# KiCad board TimeDisk.kicad_pcb (continued)
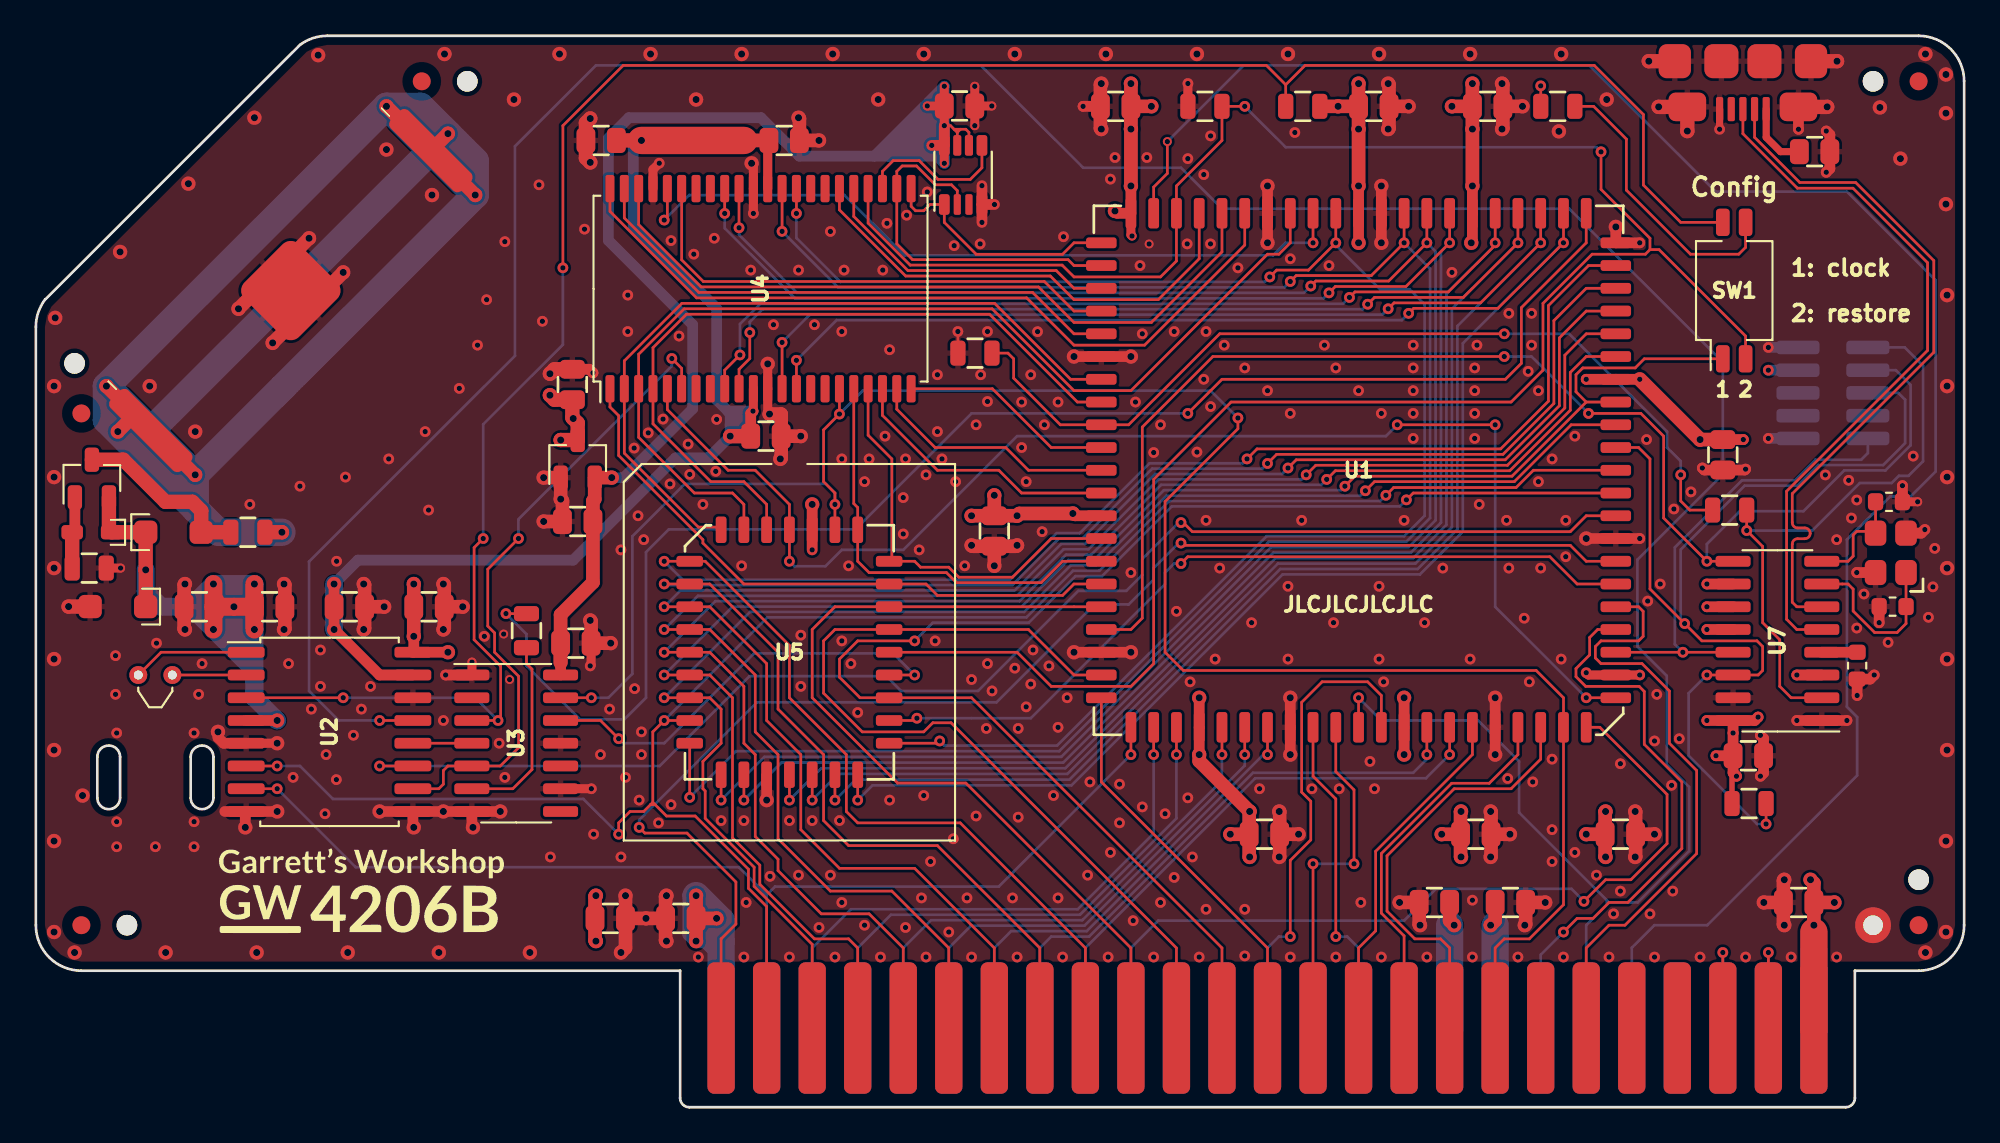
[diagram p0: board, top side]
## Routing (per net, layer and track width the routed paths; a pad name or vN(x,y) marks a point on that pad's centre or on a via; arc(x,y) is an arc through that point) (continued)
  Top w0.8: v1(28.68,40.95) 28.93,41.2 C11.2 ; v1(30.93,52.75) 30.69,52.99 C17.2 30.69,54.96 v1(30.93,55.2) ; J2.6 v1(100.48,58.4) ; J2.6 v1(89.98,58.4) ; v1(90.53,55.85) J2.6 v1(92.13,54.5) ; J2.6 v1(99.93,55.85) ; D2.2 v1(1.83,27.95)
  Bottom w0.6: J3.10 v2(96.65,37.34) ; J3.2 v2(96.65,42.42)
  Bottom w1.524: 99.19,4.32 99.19,8.76
  vias: v1(1.02,40.26) v1(1.02,35.18) v1(1.02,30.1) v1(1.02,25.02) v1(1.02,19.94) v1(1.02,14.86) v1(1.02,9.78) v1(1.08,44.07) v1(2.16,8.64) v1(2.6,17.4) v1(4.7,47.75) v1(6.35,40.26) v1(7.24,8.64) v1(8.51,51.56) v1(8.89,37.72) v1(12.19,55.24) v1(12.32,8.64) v1(15.75,58.74) v1(17.4,8.64) v1(19.56,53.47) v1(22.1,50.93) v1(22.48,8.64) v1(22.8,58.8) v1(26.67,56.26) v1(27.56,8.64) v1(29.21,58.8) v1(34.29,58.8) v1(36.83,56.26) v1(39.37,58.8) v1(44.45,58.8) v1(46.99,56.26) v1(49.53,58.8) v1(54.61,58.8) v1(59.69,58.8) v1(64.77,58.8) v1(69.36,13.97) v1(69.85,58.8) v1(74.93,58.8) v1(80.01,58.8) v1(81.15,13.97) v1(84.96,54.48) v1(85.09,58.8) v1(87.63,56.26) v1(102.87,55.82) v1(104.01,52.96) v1(105.41,58.8) v1(105.41,8.64) v1(106.55,57.66) v1(106.55,55.5) v1(106.55,50.42) v1(106.55,14.86) v1(106.55,9.78) v1(106.62,45.34) v1(106.62,40.26) v1(106.62,35.18) v1(106.62,30.1) v1(106.62,25.02) v1(106.62,19.94) v2(4.44,25.21) v2(4.44,23.05) v2(4.51,20.89) v2(4.51,15.94) v2(4.51,14.54) v2(6.67,14.54) v2(6.73,25.91) v2(8.83,20.89) v2(8.83,15.94) v2(8.83,14.54) v2(9.08,23.05) v2(9.27,24.76) v2(11.94,33.65) v2(14.1,24.76) v2(14.35,18.41) v2(14.73,34.67) v2(15.37,22.22) v2(15.88,25.53) v2(15.88,23.49) v2(16.13,16.38) v2(16.19,19.68) v2(16.78,30.48) v2(16.76,18.29) v2(17.27,35.18) v2(17.72,20.76) v2(18.16,22.22) v2(18.67,23.49) v2(19.69,36.19) v2(21.72,37.72) v2(21.91,33.34) v2(22.73,21.59) v2(23.62,40.13) v2(24.64,42.54) v2(25.02,26.29) v2(25.15,45.08) v2(25.84,20.32) v2(26.16,48.32) v2(26.16,18.41) v2(28.07,51.5) v2(28.26,43.88) v2(28.7,13.97) v2(30.61,49.02) v2(31.11,15.24) v2(31.5,19.68) v2(32,22.22) v2(32.64,31.11) v2(32.64,13.97) v2(32.89,18.41) v2(33.02,45.34) v2(33.02,43.31) v2(33.38,36.8) v2(33.4,23.37) v2(33.59,33.02) v2(33.66,17.14) v2(33.78,20.95) v2(33.78,19.68) v2(33.91,31.69) v2(34.16,37.65) v2(34.73,15.87) v2(34.99,38.42) v2(35.38,34.8) v2(35.43,48.39) v2(35.43,16.89) v2(35.88,43.05) v2(36.39,37.02) v2(36.48,35.33) v2(36.7,47.62) v2(36.96,8.38) v2(37.21,33.65) v2(37.85,48.51) v2(37.93,35.5) v2(37.98,38.4) v2(38.23,16) v2(39.37,30.23) v2(39.5,16) v2(39.5,8.38) v2(39.62,11.43) v2(39.88,46.74) v2(40.96,12.89) v2(41.15,43.69) v2(42.04,16) v2(42.04,8.38) v2(42.54,46.74) v2(42.54,12.95) v2(42.67,26.35) v2(42.67,23.49) v2(43.31,16) v2(43.43,43.69) v2(43.69,10.03) v2(44.32,48.89) v2(44.32,12.95) v2(44.58,8.38) v2(44.83,16) v2(44.96,43.31) v2(44.96,36.19) v2(44.96,26.03) v2(44.96,11.43) v2(45.08,46.74) v2(45.34,30.23) v2(45.47,24.76) v2(45.85,22.03) v2(46.23,34.92) v2(46.23,10.16) v2(46.48,36.19) v2(47.12,8.38) v2(47.24,46.74) v2(47.37,37.46) v2(47.48,49.35) v2(47.62,42.29) v2(47.62,17.14) v2(48.39,34.04) v2(48.39,32) v2(48.51,36.19) v2(48.51,10.03) v2(48.58,49.8) v2(49.28,31.11) v2(49.4,11.68) v2(49.53,17.4) v2(49.66,35.31) v2(49.66,8.38) v2(49.73,51.1) v2(49.91,13.72) v2(50.16,26.03) v2(50.29,40.89) v2(50.29,37.72) v2(50.55,36.19) v2(50.93,9.78) v2(51.23,48.1) v2(51.18,14.99) v2(51.31,34.92) v2(51.82,30.23) v2(51.94,11.68) v2(52.2,23.88) v2(52.2,8.38) v2(52.45,38.1) v2(52.45,16.26) v2(52.68,48.2) v2(52.7,40.89) v2(53.02,21.15) v2(53.09,43.31) v2(53.09,39.4) v2(53.09,24.76) v2(53.34,23.24) v2(54.48,11.68) v2(54.61,24.51) v2(54.74,8.38) v2(54.8,21.15) v2(54.8,16.19) v2(54.99,39.37) v2(54.99,36.83) v2(55.25,34.92) v2(55.25,22.35) v2(55.5,40.89) v2(55.5,23.62) v2(55.63,25.53) v2(55.88,43.3) v2(56.13,32.13) v2(56.26,38.1) v2(56.51,24.64) v2(56.77,17.4) v2(57.02,39.37) v2(57.02,21.21) v2(57.02,11.68) v2(57.28,8.38) v2(57.33,48.6) v2(57.53,22.86) v2(58.67,12.95) v2(58.8,18.16) v2(59.82,8.38) v2(59.94,51.82) v2(59.94,14.22) v2(60.2,53.02) v2(60.45,18.03) v2(60.45,15.87) v2(61.09,29.84) v2(61.21,10.41) v2(61.34,39.37) v2(61.59,46.99) v2(61.72,43.18) v2(61.72,16.76) v2(61.98,53.02) v2(62.36,36.55) v2(62.36,8.38) v2(62.74,38.1) v2(62.74,11.43) v2(62.99,16.38) v2(63.5,43.31) v2(63.5,12.83) v2(63.63,27.69) v2(64.26,52.96) v2(64.23,48.2) v2(64.26,17.27) v2(64.39,23.75) v2(64.52,13.97) v2(64.77,36.58) v2(64.9,8.38) v2(65.15,52.07) v2(65.15,40.64) v2(65.28,43.31) v2(65.28,32.77) v2(65.28,11.05) v2(65.53,54.23) v2(65.53,48.2) v2(65.53,39.12) v2(65.79,25.02) v2(66.04,30.1) v2(66.29,42.54) v2(67.06,46.86) v2(67.44,41.27) v2(67.44,11.05) v2(67.44,8.45) v2(67.82,27.05) v2(68.26,17.78) v2(68.71,40) v2(69.85,29.08) v2(69.85,25.02) v2(69.98,47.37) v2(69.98,38.73) v2(69.98,8.38) v2(70.23,54.42) v2(70.61,32.77) v2(71.18,17.78) v2(71.88,42.54) v2(72.14,46.99) v2(72.39,27.05) v2(72.52,41.27) v2(72.52,8.38) v2(72.71,17.78) v2(73.79,40) v2(73.91,11.43) v2(74.42,19.3) v2(74.68,17.78) v2(74.93,29.08) v2(74.93,25.02) v2(75.06,38.73) v2(75.06,8.38) v2(75.18,23.75) v2(76.33,32.77) v2(76.83,42.54) v2(76.83,41.27) v2(76.83,40) v2(76.83,38.73) v2(76.83,37.34) v2(77.47,27.05) v2(77.6,8.38) v2(78.49,30.1) v2(78.99,46.61) v2(80.01,25.02) v2(80.14,11.56) v2(80.14,8.38) v2(80.26,41.27) v2(80.26,40) v2(80.26,38.73) v2(80.26,37.34) v2(80.39,42.54) v2(80.52,33.65) v2(82.04,32.77) v2(82.17,44.32) v2(82.17,30.1) v2(82.11,18.35) v2(82.68,8.38) v2(83.03,27.3) v2(83.25,41.08) v2(83.31,23.75) v2(83.44,44.32) v2(83.44,42.54) v2(83.5,18.16) v2(83.82,40) v2(83.82,34.92) v2(83.95,30.1) v2(84.58,36.19) v2(84.58,19.43) v2(84.58,15.49) v2(84.58,13.72) v2(85.09,25.02) v2(85.22,8.38) v2(85.34,32.77) v2(85.34,30.73) v2(85.85,37.46) v2(85.85,14.22) v2(87.06,12.95) v2(87.76,8.38) v2(88.01,10.79) v2(88.39,19.18) v2(88.39,12.06) v2(89.85,37.27) v2(89.92,28.26) v2(90.04,10.79) v2(90.3,20.45) v2(90.3,8.38) v2(90.42,23.05) v2(90.61,29.21) v2(91.25,17.97) v2(91.38,33.4) v2(91.31,12.06) v2(91.68,20.57) v2(92.33,34.35) v2(92.84,8.38) v2(95.38,8.38) v2(97.92,8.38) v2(99.83,35.3) v2(100.46,31.69) v2(100.46,8.38) v2(101.13,35) v2(101.28,32.89) v2(101.58,33.9) v2(101.58,26.75) v2(101.98,28.65) v2(103.33,25.95) v2(104.73,36.35) v2(105.58,27.35) v2(105.83,29.05) v2(105.93,31.2) v3(26.1,26.42) v3(26.43,23.88) v3(62.1,48.2)
+5C: length 74.6
  Top w0.5: v2(40,38.86) 40.03,38.88 U4.11
  Top w0.508: U4.33 40.83,53.91 C16.1
  Top w0.6: v1(16.64,29.21) C14.1 v1(16.64,26.67) 19.18,24.13 U2.15 ; v2(40,38.86) 39.88,38.73 C15.1
  Top w0.762: C16.1 39.5,53.97
  Top w0.8: C15.1 v1(38.73,37.46) ; C17.1 v1(33.78,53.97)
  Top w1.524: 39.5,53.97 v1(33.78,53.97)
  Bottom w0.6: v1(38.73,37.46) 38.73,37.59 v2(40,38.86) 38.61,38.86 ; v1(38.73,37.46) 38.73,38.1 39.18,38.54 ; v1(38.73,37.46) 37.52,36.25 35.68,36.25 29.97,30.54 17.97,30.54 v1(16.64,29.21) ; v1(38.73,37.46) 38.73,38.73 38.61,38.86 ; v1(33.78,53.97) 33.33,53.52 33.33,49.25 37.98,44.6 37.98,39.49 38.61,38.86
  Bottom w1: v1(16.64,29.21) v1(16.64,26.67)
+BATT: length 58.2
  Top w0.6: U2.4 v1(13.46,21.59)
  Top w0.8: Q1.2 4.08,32.25 D3.1 D1.1 v1(6.13,30) D2.1
  Top w1: 12.19,27.94 v1(12.19,29.21) ; 12.19,27.94 v1(11.05,27.94) 9.91,27.94 ; 12.19,27.94 v1(12.19,26.67) ; 9.91,27.94 v1(9.91,29.21) ; 9.91,27.94 v1(9.91,26.67)
  Bottom w1: v1(13.46,21.59) 12.19,22.86 ; 12.19,22.86 12.19,24.38 8.64,27.94 ; 12.19,22.86 12.19,25.55 ; v1(12.19,29.21) v1(12.19,26.67) ; v1(12.19,29.21) 11.05,28.07 ; v1(12.19,29.21) v1(9.91,29.21) ; v1(12.19,26.67) 11.05,27.81 ; v1(12.19,26.67) v1(9.91,26.67) ; v1(12.19,26.67) 12.19,25.55 ; 11.05,28.07 v1(11.05,27.94) ; 11.05,28.07 v1(9.91,29.21) ; 11.05,28.07 v1(11.05,27.94) ; v1(11.05,27.94) 11.05,27.81 ; v1(11.05,27.94) 11.05,27.81 ; v1(11.05,27.94) 11.05,26.69 12.19,25.55 ; 11.05,27.81 v1(9.91,26.67) ; 8.64,27.94 v1(9.91,29.21) ; 8.64,27.94 12.19,27.94 ; 8.64,27.94 6.99,27.94 6.13,28.8 v1(6.13,30) ; v1(9.91,29.21) v1(9.91,26.67)
/7M: length 18.3
  Top w0.15: U1.83 71.25,18.48 72.52,17.21 v2(72.52,9.52)
  Bottom w0.15: v2(72.52,9.52) 73.15,9.52 73.79,8.89 73.79,4.32
/A0: length 107
  Top w0.15: U2.6 v2(13.46,19.05) ; U5.12 v2(35.05,21.59) 34.42,20.95 34.42,17.02 ; 34.29,16.89 34.42,17.02 ; 34.29,16.89 34.54,16.89 ; 34.29,16.89 33.91,16.51 33.15,16.51 32.51,15.87 v2(32.51,15.24) ; 34.42,17.02 34.54,16.89 ; 34.54,16.89 35.18,16.26 36.78,16.26 39.75,13.28 39.75,12.22 40.77,11.2 40.77,4.32 ; U1.22 83.54,35.56 82.57,34.59 75.74,34.59 v2(75.31,34.16)
  Bottom w0.15: v2(75.31,34.16) 74.99,33.84 63.22,33.84 59.33,29.95 57.86,29.95 55.26,27.35 40.81,27.35 v2(35.05,21.59) ; v2(13.46,19.05) 14.73,19.05 16.57,17.21 30.54,17.21 v2(32.51,15.24)
/A1: length 83.7
  Top w0.15: v2(35.05,22.86) U5.11 37.59,22.86 38.23,22.22 38.23,20.32 37.21,19.3 37.21,17.78 37.34,17.65 37.34,16.13 40.07,13.4 40.07,12.33 43.31,9.09 43.31,4.32 ; v2(74.17,34.42) 74.68,34.92 82.47,34.92 85.65,38.1 U1.24
  Bottom w0.15: v2(35.05,22.86) 39.84,27.65 55.13,27.65 57.73,30.25 59.18,30.25 63.07,34.14 73.89,34.14 v2(74.17,34.42)
/A2: length 96.6
  Top w0.15: v2(35.05,24.13) U5.10 37.59,24.13 38.86,22.86 38.86,15.04 40.39,13.51 40.39,12.45 43.43,9.4 45.34,9.4 45.85,8.89 45.85,4.32 ; 86.49,39.37 82.35,35.23 73.58,35.23 v2(73.03,34.67) ; 86.49,39.37 U1.25 ; 86.49,39.37 85.92,39.94 85.92,40.89 86.3,41.27 89.22,41.27 89.73,41.78 SW1.1
  Bottom w0.15: v2(35.05,24.13) 38.87,27.95 55,27.95 57.6,30.55 59.03,30.55 62.93,34.45 72.8,34.45 v2(73.03,34.67)
/A3: length 90.8
  Top w0.15: v2(35.05,25.4) U5.9 37.59,25.4 39.5,23.49 39.5,20.32 40.13,19.68 40.13,15.11 41.4,13.84 41.4,13.21 43.81,10.79 46.48,10.79 48.39,8.89 48.39,4.32 ; v2(72.01,35.05) 72.49,35.53 82.22,35.53 85.6,38.91 85.6,41.02 86.49,41.91 U1.27
  Bottom w0.15: v2(35.05,25.4) 37.9,28.25 54.87,28.25 57.47,30.85 58.88,30.85 62.78,34.75 71.71,34.75 v2(72.01,35.05)
/A4: length 94.1
  Top w0.15: v2(35.05,26.67) U5.8 37.59,26.67 40.13,24.13 40.13,20.95 41.4,19.68 41.4,14.99 44.32,12.06 47.75,12.06 50.93,8.89 50.93,4.32 ; v2(70.87,35.31) 71.4,35.84 82.09,35.84 85.29,39.04 85.29,41.99 86.49,43.18 U1.28
  Bottom w0.15: v2(35.05,26.67) 36.93,28.55 54.74,28.55 57.34,31.15 58.73,31.15 62.63,35.05 70.61,35.05 v2(70.87,35.31)
/A5: length 97.3
  Top w0.15: v2(35.05,27.94) U5.7 37.59,27.94 40.77,24.76 40.77,21.59 42.67,19.68 42.67,15.49 44.83,13.33 49.02,13.33 53.47,8.89 53.47,4.32 ; v2(69.85,35.69) 70.31,36.14 81.97,36.14 84.99,39.16 84.99,42.95 86.49,44.45 U1.29
  Bottom w0.15: v2(69.85,35.69) 69.51,35.35 62.43,35.35 58.53,31.45 57.2,31.45 54.6,28.85 35.96,28.85 v2(35.05,27.94)
/A6: length 100.6
  Top w0.15: v2(35.05,29.21) U5.6 37.59,29.21 41.4,25.4 41.4,22.22 43.94,19.68 43.94,16 45.34,14.6 50.29,14.6 56.01,8.89 56.01,4.32 ; v2(68.71,35.94) 69.22,36.45 81.84,36.45 84.68,39.29 84.68,43.92 86.49,45.72 U1.30
  Bottom w0.15: v2(68.71,35.94) 68.42,35.65 62.28,35.65 58.38,31.75 57.07,31.75 54.47,29.15 35.11,29.15 v2(35.05,29.21)
/A7: length 104.5
  Top w0.15: v2(35.05,30.48) U5.5 37.34,30.48 42.04,25.78 42.04,22.86 45.21,19.68 45.21,16.51 45.85,15.87 51.56,15.87 58.55,8.89 58.55,4.32 ; U1.31 86.61,46.99 84.38,44.75 84.38,39.42 81.72,36.75 68.12,36.75 v2(67.56,36.19)
  Bottom w0.15: v2(67.56,36.19) 67.32,35.95 62.13,35.95 58.23,32.05 56.94,32.05 54.34,29.45 36.08,29.45 v2(35.05,30.48)
/A8: length 48.6
  Top w0.15: U1.70 U5.27 44.58,27.94 43.31,26.67 43.31,22.86 48.07,18.1 51.88,18.1 61.09,8.89 61.09,4.32
/A9: length 50.3
  Top w0.15: U1.73 57.91,24.13 55.37,26.67 U5.26 44.58,26.67 43.94,26.03 43.94,23.11 46.1,20.95 49.53,20.95 50.04,21.46 51.05,21.46 63.63,8.89 63.63,4.32
/A10: length 80.3
  Top w0.15: v2(49.02,26.03) 45.85,26.03 44.83,25.02 44.83,24 45.97,22.86 U5.23 52.2,22.86 66.17,8.89 66.17,4.32 ; v2(76.45,33.91) 76.83,34.29 U1.21
  Bottom w0.15: v2(49.02,26.03) 50.04,27.05 55.39,27.05 57.99,29.65 59.48,29.65 63.37,33.54 76.08,33.54 v2(76.45,33.91)
/A11: length 22.4
  Top w0.15: U1.74 59.44,18.16 68.71,8.89 68.71,4.32
/A12: length 19.6
  Top w0.15: v2(73.53,13.59) 73.53,17.72 72.52,18.73 U1.84 ; v2(71.25,13.59) 71.25,4.32
  Bottom w0.15: v2(73.53,13.59) v2(71.25,13.59)
/A13: length 19.5
  Top w0.15: U1.6 80.14,19.68 74.74,14.29 74.74,9.84 73.79,8.89 73.79,4.32
/A14: length 21.8
  Top w0.15: 76.33,4.32 76.33,9.56 75.06,10.83 75.06,14.16 78.98,18.08 81.08,18.08 82.68,19.68 U1.8
/A15: length 24.6
  Top w0.15: 78.87,4.32 78.87,8.89 78.36,9.4 76.92,9.4 75.37,10.95 75.37,14.03 79.12,17.78 82.3,17.78 83.95,19.43 U1.9
/CH340_3V3: length 2
  Top w0.6: U7.4 C25.1
/D0: length 64.2
  Top w0.15: U2.7 v2(13.46,17.78) ; U1.75 v2(61.09,19.68)
  Bottom w0.15: 40.85,11.93 41.24,12.32 53.72,12.32 v2(61.09,19.68) ; 40.85,11.93 40.77,11.85 ; 40.85,11.93 40.69,11.93 40.67,11.94 ; 40.67,11.94 39.22,13.4 17.84,13.4 v2(13.46,17.78) ; 40.67,11.94 40.77,11.85 ; 40.77,11.85 J1.49
/D1: length 32.2
  Top w0.15: U1.76 v2(62.36,19.68)
  Bottom w0.15: 43.31,4.32 43.31,8.89 45.47,11.05 58.12,11.05 62.36,15.29 v2(62.36,19.68)
/D2: length 30.4
  Top w0.15: U1.77 v2(63.63,19.68)
  Bottom w0.15: v2(63.63,19.68) 63.63,16.13 58.25,10.74 47.7,10.74 45.85,8.89 45.85,4.32
/D3: length 29.2
  Top w0.15: U1.79 v2(66.17,19.68)
  Bottom w0.15: v2(66.17,19.68) 66.17,18.23 58.37,10.44 49.94,10.44 48.39,8.89 48.39,4.32
/D4: length 27.4
  Top w0.15: U1.80 v2(67.44,19.68)
  Bottom w0.15: v2(67.44,19.68) 67.44,19.07 58.5,10.13 52.17,10.13 50.93,8.89 50.93,4.32
/D5: length 25.8
  Top w0.15: U1.81 v2(68.71,19.68)
  Bottom w0.15: 53.47,4.32 53.47,8.89 54.41,9.83 58.62,9.83 68.48,19.68 v2(68.71,19.68)
/D6: length 32.3
  Top w0.15: v2(77.6,19.68) U1.4
  Bottom w0.15: 56.01,4.32 56.01,8.89 56.64,9.52 58.75,9.52 67.89,18.67 76.83,18.67 77.6,19.43 v2(77.6,19.68)
/D7: length 30.9
  Top w0.15: U1.5 v2(78.87,19.68)
  Bottom w0.15: 58.55,4.32 58.55,8.89 68.02,18.36 77.55,18.36 v2(78.87,19.68)
/DMAin: length 8.6
  Top w0.15: v2(96.65,8.64) 96.65,4.32
  Bottom w0.15: 96.65,4.32 v2(96.65,8.64)
/DS~{OE}: length 3.3
  Top w0.15: U3.4 U2.12
/DS~{WE}: length 126.1
  Top w0.15: U2.3 v2(17.14,22.86) ; 69.72,57.09 68.64,58.17 32.77,58.17 29.4,54.8 v2(29.4,46.86) ; 69.72,57.09 70.8,58.17 86.93,58.17 89.68,55.42 89.68,51.48 91.76,49.4 SW1.4 ; 69.72,57.09 R1.1 ; v2(24.96,31.75) 24.45,31.24 24.45,26.1 25.93,24.62 25.93,21.74 v2(25.78,21.59) U3.3
  Bottom w0.15: v2(24.96,31.75) 24.96,38.13 29.4,42.57 v2(29.4,46.86) ; v2(25.78,21.59) 24.51,22.86 v2(17.14,22.86)
/INTin: length 8.6
  Top w0.15: v2(94.11,8.64) 94.11,4.32
  Bottom w0.15: 94.11,4.32 v2(94.11,8.64)
/PHI1: length 26.9
  Top w0.15: v2(69.98,9.52) 69.98,13.78 71.12,14.92 71.12,17.08 70.61,17.59 70.61,22.61 71.75,23.75 74.29,23.75 75.06,22.99 U1.2
  Bottom w0.15: v2(69.98,9.52) 69.34,9.52 68.71,8.89 68.71,4.32
/RA0: length 8.7
  Top w0.15: U8.5 52.78,52.45 52.13,51.8 50.33,51.8 49.28,52.85 47.83,52.85 47.23,52.25 U4.25
/RA1: length 20.8
  Top w0.15: U1.55 57.91,46.99 57.58,47.32 48.91,47.32 48.03,48.2 U4.24 48.03,52.25 48.33,52.55 49.13,52.55 50.18,51.5 51.08,51.5 51.4,51.17 U8.2
/RA2: length 13.8
  Top w0.15: U4.23 48.83,50.3 49.08,50.05 49.53,50.05 49.88,50.4 U8.1 50.68,49.4 52.46,47.62 57.27,47.62 57.91,48.26 U1.54
/RA3: length 12
  Top w0.15: U1.63 56.64,36.83 53.36,40.11 U4.22
/RA4: length 14
  Top w0.15: U1.64 55.37,35.56 54.1,36.83 50.16,36.83 48.03,38.97 U4.21
/RA5: length 43.9
  Top w0.15: U1.48 67.44,48.13 61.85,42.54 57.91,42.54 55.27,45.19 36.86,45.19 32.03,50.01 U4.44
/RA6: length 30.9
  Top w0.15: U1.58 57.91,43.18 55.6,45.49 36.98,45.49 32.83,49.65 U4.43
/RA7: length 40.6
  Top w0.15: U4.42 33.63,49.28 37.11,45.8 55.93,45.8 57.91,43.81 62.23,43.81 66.17,47.75 U1.49
/RA8: length 28.6
  Top w0.15: U1.57 57.91,44.45 56.26,46.1 37.23,46.1 36.03,47.31 U4.39
/RA9: length 26.8
  Top w0.15: U4.28 44.83,50.1 48.52,46.41 56.59,46.41 57.91,45.08 62.61,45.08 64.9,47.37 U1.50
/RA10: length 17
  Top w0.15: U4.27 45.63,49.73 48.65,46.71 56.92,46.71 57.91,45.72 U1.56
/RA11: length 129.4
  Top w0.15: v2(67.44,55.88) R2.2 66.17,53.97 63.63,51.43 U1.51 63.63,47.24 62.74,46.35 57.91,46.35 57.25,47.02 48.77,47.02 46.43,49.36 U4.26 ; 90.04,47.88 90.55,47.88 95.38,43.05 SW1.2 ; 90.04,47.88 90.04,48.51 87.31,51.24 v2(87.31,53.34) ; 90.04,47.88 89.79,47.62 86.82,47.62 84.07,44.88 84.07,41.15 82.3,39.37 66.67,39.37 62.36,35.05 62.36,24.76 61.09,23.49 56.64,23.49 54.74,25.4 U5.25
  Bottom w0.15: v2(87.31,53.34) 87.06,53.59 69.72,53.59 v2(67.44,55.88)
/RA12: length 42
  Top w0.15: U5.4 38.08,32.38 36.96,32.38 32.83,36.51 U4.2 32.83,41.67 36.04,44.88 53.48,44.88 57.72,40.64 U1.60
/RA13: length 34.5
  Top w0.15: U1.69 57.91,29.21 57.28,28.57 50.29,28.57 49.66,29.21 U5.28 39.5,29.21 37.21,31.5 37.21,31.69 32.51,36.39 32.51,38.61 32.03,39.09 U4.1
/RA14: length 23.3
  Top w0.15: U4.19 46.43,37.52 47.75,36.19 47.75,30.63 U5.29 49.02,30.48 49.35,30.15 50.93,30.15 51.49,29.59 54.48,29.59 56.64,31.75 U1.67
/RA15: length 57.8
  Top w0.15: U5.3 39.5,33.65 38.86,34.29 36.74,34.29 33.63,37.4 U4.3 33.63,42.04 36.17,44.58 53.34,44.58 57.91,40 61.09,40 68.71,47.62 69.34,47.62 69.98,48.26 U1.46
/RA16: length 41.7
  Top w0.15: U1.61 58.1,39.37 53.2,44.27 36.29,44.27 34.43,42.41 U4.4 34.43,38.15 37.65,34.92 39.5,34.92 40.77,33.65 U5.2
/RA17: length 24.3
  Top w0.15: U4.18 45.63,33.7 45.85,33.48 U5.30 45.85,30.48 46.48,29.84 50.8,29.84 51.36,29.29 56.08,29.29 57.28,30.48 U1.68
/RA18: length 75.1
  Top w0.15: v2(42.04,30.48) U5.1 42.04,33.65 40.13,35.56 38.61,35.56 35.23,38.95 U4.5 ; v2(81.41,38.1) v2(75.95,38.1) ; U1.12 v2(86.49,22.86)
  Bottom w0.15: v2(75.95,38.1) 75.31,37.46 54.74,37.46 48.39,31.11 44.96,31.11 44.04,30.2 42.32,30.2 v2(42.04,30.48) ; v2(81.41,38.1) 81.41,27.94 v2(86.49,22.86)
/RA19: length 15.5
  Top w0.15: U4.20 47.23,38.62 50.29,35.56 53.72,35.56 54.99,34.29 U1.65
/RAMCS: length 41.9
  Top w0.15: v2(35.05,49.53) 35.23,49.7 U4.40 ; U1.45 v2(71.25,48.26)
  Bottom w0.15: v2(35.05,49.53) 36.45,50.93 45.1,50.93 48.47,47.56 69.02,47.56 69.72,48.26 v2(71.25,48.26)
/RAMROMCSgb: length 84.1
  Top w0.15: R4.2 26.23,27.55 v2(26.23,27.56) ; U1.33 86.49,48.26 82.87,44.64 82.87,41.53 81.98,40.64 66.17,40.64 v2(64.26,38.73)
  Bottom w0.15: v2(26.23,27.56) 27.37,26.42 27.37,24.64 30.35,21.65 32.83,21.65 34.04,22.86 34.04,30.99 35.31,32.26 45.72,32.26 52.2,38.73 v2(64.26,38.73)
/RAMROM~{CS}: length 78.4
  Top w0.15: U2.11 v2(19.18,19.05) ; U1.20 86.49,33.02 85.6,32.13 64.52,32.13 64.01,32.64 v2(63.88,32.64)
  Bottom w0.15: 63.75,32.64 61.72,30.61 61.72,29.72 60.83,28.83 58.15,28.83 52.56,23.24 48.26,23.24 47.43,24.07 39.81,24.07 34.8,19.05 v2(19.18,19.05) ; 63.75,32.64 v2(63.88,32.64) 63.75,32.64
/RAMROM~{CS}g: length 35.9
  Top w0.15: U2.10 22.48,17.78 22.73,18.03 22.73,18.8 22.99,19.05 U3.5 25.91,19.05 26.93,20.07 26.93,24.06 25.59,25.4 25.59,26.48 25.21,26.86 25.21,30.04 v2(26.92,31.75) ; v2(35.48,41.8) 36.03,41.25 U4.6
  Bottom w0.15: v2(26.92,31.75) 26.92,32.83 35.48,41.38 v2(35.48,41.8)
/RD0: length 107.8
  Top w0.15: U4.32 v2(41.63,48.9) ; U5.13 v2(36.47,17.3) ; v2(69.98,46.1) 70.31,46.43 74.5,46.43 v2(76.33,48.26) U1.41
  Bottom w0.15: v2(69.98,46.1) 69.65,45.77 44.76,45.77 v2(41.63,48.9) ; v2(76.33,48.26) 77.77,46.81 77.77,32.89 76.45,31.57 68.78,31.57 57.09,19.88 39.05,19.88 v2(36.47,17.3)
/RD1: length 108.5
  Top w0.15: U4.35 v2(39.23,49.1) ; U5.14 v2(38.23,17.14) ; U1.40 v2(77.6,48.26) 75.46,46.13 71.4,46.13 v2(71.12,45.85)
  Bottom w0.15: v2(39.23,49.1) 39.23,48.71 42.47,45.47 70.74,45.47 v2(71.12,45.85) ; v2(38.23,17.14) 40.64,19.56 57.2,19.56 68.91,31.27 76.58,31.27 78.08,32.77 78.08,47.78 v2(77.6,48.26)
/RD2: length 109.7
  Top w0.15: U4.36 v2(38.43,49.9) ; U5.15 v2(39.5,17.14) ; U1.39 v2(78.87,48.26) 76.43,45.82 72.49,45.82 v2(72.14,45.47)
  Bottom w0.15: v2(39.5,17.14) 41.59,19.24 57.31,19.24 69.04,30.96 76.71,30.96 78.38,32.64 78.38,47.78 v2(78.87,48.26) ; v2(38.43,49.9) 38.43,49.08 42.34,45.16 71.83,45.16 v2(72.14,45.47)
/RD3: length 111
  Top w0.15: U5.17 v2(42.04,17.14) ; U1.37 v2(81.41,48.26) 81.41,48.13 78.79,45.52 73.58,45.52 v2(73.28,45.21) ; v2(39.28,42) 38.43,41.15 U4.9
  Bottom w0.15: v2(81.41,48.26) 81.41,48.13 78.69,45.42 78.69,32.51 76.83,30.66 69.16,30.66 57.43,18.92 43.81,18.92 v2(42.04,17.14) ; v2(73.28,45.21) 72.92,44.86 40.41,44.86 39.28,43.72 v2(39.28,42)
/RD4: length 111.1
  Top w0.15: U5.18 v2(43.31,17.14) ; U4.10 39.23,41.2 39.83,41.8 v2(39.83,43.25) ; U1.36 v2(82.68,48.26) 79.63,45.21 74.68,45.21 v2(74.29,44.83)
  Bottom w0.15: v2(74.29,44.83) 74.02,44.55 40.54,44.55 39.83,43.84 v2(39.83,43.25) ; v2(82.68,48.26) 78.99,44.58 78.99,32.39 76.96,30.35 69.29,30.35 57.54,18.61 44.77,18.61 v2(43.31,17.14)
/RD5: length 109.2
  Top w0.15: U4.13 v2(41.63,42.7) ; U5.19 v2(44.58,17.14) ; v2(75.44,44.58) 75.77,44.91 80.59,44.91 v2(83.95,48.26) U1.35
  Bottom w0.15: v2(41.63,42.7) 43.17,44.25 75.11,44.25 v2(75.44,44.58) ; v2(83.95,48.26) 79.3,43.61 79.3,32.26 77.08,30.05 69.42,30.05 57.66,18.29 45.72,18.29 v2(44.58,17.14)
/RD6: length 108.6
  Top w0.15: U4.14 v2(42.43,41.7) ; U5.20 v2(45.85,17.14) ; v2(76.58,44.32) 76.86,44.6 81.56,44.6 v2(85.22,48.26) U1.34
  Bottom w0.15: v2(85.22,48.26) 79.6,42.65 79.6,32.14 77.21,29.74 69.54,29.74 57.77,17.97 46.67,17.97 v2(45.85,17.14) ; v2(42.43,41.7) 44.67,43.94 76.2,43.94 v2(76.58,44.32)
/RD7: length 90
  Top w0.15: U4.31 v2(42.43,49.9) ; v2(50.42,20.45) 50.29,20.32 U5.21 ; v2(68.83,46.35) 69.22,46.74 70.99,46.74 v2(72.52,48.26) U1.44
  Bottom w0.15: v2(50.42,20.45) 50.67,20.19 56.97,20.19 68.66,31.88 76.33,31.88 77.47,33.02 77.47,44.83 76.64,45.66 74.99,45.66 72.52,48.13 v2(72.52,48.26) ; v2(42.43,49.9) 42.43,48.53 44.88,46.08 68.55,46.08 v2(68.83,46.35)
/ROM~{CS}: length 45.3
  Top w0.15: U5.22 49.02,21.59 v2(49.15,21.72) ; U1.17 85.98,29.21 84.45,30.73 64.26,30.73 v2(63.88,30.35)
  Bottom w0.15: v2(63.88,30.35) 63.5,30.35 62.99,29.84 62.99,29.21 55.5,21.72 v2(49.15,21.72)
/R~{W}: length 116.5
  Top w0.15: 81.41,4.32 81.41,8.89 81.91,9.4 83.31,9.4 85.22,11.3 U1.10 85.22,22.86 83.69,24.38 64.01,24.38 62.99,25.4 62.99,33.81 67.06,37.88 v2(67.06,38.48) ; U4.17 v2(44.83,38.7) 43.94,37.81 43.94,34.92 44.58,34.29 v2(44.58,33.65) U5.31 ; v2(30.99,22.86) U3.13
  Bottom w0.15: v2(30.99,22.86) 31.94,22.86 33.27,24.19 33.27,31.88 36.19,34.8 44.07,34.8 44.58,34.29 v2(44.58,33.65) ; v2(44.83,38.7) 46.13,40 65.53,40 v2(67.06,38.48)
/TCK: length 50.5
  Top w0.15: v2(91.76,35.31) 91.76,33.85 92.27,33.34 R5.2 ; R9.1 54.23,42.1 54.55,41.78 54.55,40.7 57.15,38.1 U1.62 60.96,38.1 66.04,43.18 v2(81.91,43.18)
  Bottom w0.15: v2(81.91,43.18) 85.53,43.18 91,37.72 91,36.83 91.76,36.07 v2(91.76,35.31)
/TCKr: length 32.9
  Top w0.15: U7.2 97.92,22.86 97.28,23.49 97.28,26.1 96.33,27.05 96.33,31.31 v2(95.44,32.19) 95.44,32.2 R5.1
  Bottom w0.15: 102.83,42.42 104.26,42.42 105.28,41.4 105.28,36.06 104.47,35.25 103.93,35.25 103.53,34.85 101.75,34.85 99.1,32.19 v2(95.44,32.19)
/TDI: length 26.3
  Top w0.15: U7.13 v2(91.88,25.4) U1.14
  Bottom w0.15: v2(91.88,25.4) 91.43,25.85 91.43,31.25 95.18,35 98.13,35 99.28,36.15 101.83,36.15 102.2,36.52 J3.9
/TDO: length 75.9
  Top w0.15: v2(86.61,38.73) 89.53,38.73 90.8,37.46 90.8,32.89 v2(93.22,30.48) U7.9 ; v2(81.91,41.91) 65.66,41.91 61.72,37.97 61.72,27.3 61.09,26.67 U1.71
  Bottom w0.15: v2(93.22,30.48) 93.22,31.44 95.05,33.27 98.6,33.27 100.88,35.55 103.18,35.55 104.58,36.95 104.58,40.33 103.76,41.15 J3.3 ; v2(81.91,41.91) 83.44,41.91 v2(86.61,38.73)
/TMS: length 57.4
  Top w0.15: U1.23 89.41,36.83 90.04,36.19 90.04,28.93 v2(91.98,27) 92.94,26.03 96.01,26.03 96.33,25.72 96.33,24.38 96.08,24.13 U7.14 v2(93.22,24.13) ; R10.2 v2(96.52,15.81)
  Bottom w0.15: v2(96.52,15.81) 96.01,15.81 92.2,19.62 92.2,23.11 v2(93.22,24.13) ; J3.5 103.9,39.88 104.28,39.5 104.28,37.07 103.05,35.85 99.43,35.85 98.28,34.7 95.33,34.7 91.76,31.13 91.76,27.22 v2(91.98,27)
/USB5V: length 3.8
  Top w0.4: J2.1 96.53,54.15 97.33,53.35 C28.1
/~{DEVSEL}: length 46.3
  Top w0.15: v2(86.36,11.49) 87.57,12.7 88.98,12.7 91,14.72 91,17.46 87.25,21.21 U1.11
  Bottom w0.15: v2(86.36,11.49) 85.66,12.19 78.1,12.19 76.33,10.41 62.61,10.41 61.09,8.89 61.09,4.32
/~{INH}: length 32.5
  Top w0.15: U1.15 87.12,26.67 86.68,26.23 86.68,25.25 85.92,24.49 85.92,24.03 86.46,23.49 89.44,23.49 89.73,23.21 89.73,20.26 91.82,18.16 91.82,14.44 88.81,11.43 87.76,11.43 86.87,10.54 85.98,10.54 v2(85.22,9.78)
  Bottom w0.15: v2(85.22,9.78) 83.95,8.51 83.95,4.32
/~{IOSEL}: length 77.3
  Top w0.15: v2(63.88,31.5) 64.01,31.37 85.6,31.37 86.49,30.48 U1.18 ; 38.23,4.32 38.23,9.4 39.05,10.22 39.05,12.57 36.32,15.3 33.97,15.3 v2(33.66,15.62)
  Bottom w0.15: v2(33.66,15.62) 33.66,16.03 40.23,22.61 53.59,22.61 59.05,28.07 60.96,28.07 62.36,29.46 62.36,30.1 63.75,31.5 v2(63.88,31.5)
/~{IOSTRB}: length 34.1
  Top w0.15: U1.16 89.41,27.94 89.66,27.69 89.66,26.29 89.41,26.03 87.31,26.03 87,25.72 87,25.08 87.31,24.76 89.6,24.76 91.13,23.24 91.13,20.32 92.65,18.8 92.65,14.16 88.65,10.16 87.76,10.16 86.49,8.89 86.49,4.32
/~{IRQ}: length 105.5
  Top w0.15: U1.52 62.36,51.37 63.12,52.13 v3(63.12,53.91)
  Bottom w0.15: J1.30 89.03,8.9 90.29,10.16 93.24,10.16 101.6,18.52 101.6,21.78 101.03,22.35 101.03,31.69 103.44,34.1 104.58,34.1 105.98,35.49 105.98,46.17 101.03,51.12 93.71,51.12 86.66,58.17 67.37,58.17 v3(63.12,53.91)
/~{OE}: length 24.3
  Top w0.15: U5.24 v2(49.02,24.13) ; v2(32.51,20.57) 31.5,21.59 U3.12
  Bottom w0.15: v2(49.02,24.13) 47.82,25.34 40.07,25.34 35.05,20.32 32.77,20.32 v2(32.51,20.57)
/~{RES}: length 183.9
  Top w0.15: U2.13 v2(19.18,21.59) ; U1.1 v2(73.79,22.86)
  Bottom w0.15: v2(19.18,21.59) 16.89,21.59 15.24,23.24 15.24,30.46 26.73,41.95 26.73,53.65 31.24,58.17 52.71,58.17 58.43,52.45 63.88,52.45 66.17,50.16 85.53,50.16 94.11,41.59 94.11,35.33 89.34,30.57 89.34,25.72 90.98,24.08 90.98,19.13 92.23,17.88 92.23,14.3 89.36,11.43 87.69,11.43 ; 87.63,11.3 87.63,11.56 ; 87.63,11.3 87.76,11.43 87.63,11.56 ; 87.63,11.3 86.49,10.16 86.49,4.32 ; 87.63,11.56 82.74,16.45 82.74,19.3 80.45,21.59 75.06,21.59 v2(73.79,22.86)
Net-(BT1-+): length 128.6
  Top w0.762: BT1.1 22.03,53.41 v1(19.56,55.88) ; BT1.1 24.51,50.93 v1(24.51,50.93) ; BT1.1 v1(22.99,54.36) ; v1(8.89,35.31) 8.89,35.31 BT1.1 3.94,40.25 v1(3.94,40.26) ; 5.52,38.67 v1(4.57,37.72)
  Top w0.8: R7.2 v1(13.73,32.1)
  Bottom w0.8: v1(4.57,37.72) 5.08,37.21 5.08,36.83 ; 6.38,37.05 6.38,37.75
  Bottom w1.524: v1(22.99,54.36) 5.46,36.83 ; v1(22.99,54.36) 21.46,55.88 v1(19.56,55.88) ; v1(22.99,54.36) 24.51,52.83 v1(24.51,50.93) ; 6.98,35.31 5.46,36.83 ; 6.98,35.31 v1(8.89,35.31) ; 6.98,35.31 8.89,33.4 ; 5.46,36.83 3.94,38.35 v1(3.94,40.26) ; v1(24.51,50.93) v1(8.89,35.31) ; v1(24.51,50.93) v1(19.56,55.88) ; v1(3.94,40.26) v1(19.56,55.88) ; v1(3.94,40.26) v1(8.89,35.31) ; v1(8.89,35.31) 8.89,33.4 ; 8.89,33.4 10.19,32.1 v1(13.73,32.1)
Net-(D1-A): length 10.1
  Top w0.8: Q1.3 4.88,36.15 7.23,33.8 8.73,33.8 9.23,33.3 D1.2 R7.1
Net-(D3-A): length 4
  Top w0.6: D3.2 2.18,32.25 Q1.1
  Top w0.8: R8.2 D3.2
Net-(J2-D+): length 40
  Top w0.15: J2.3 95.23,54.35 98.27,51.31 101.37,51.31 105.53,47.15 105.53,42.25 97.66,34.39 97.66,27.24 98.23,26.67 U7.5
Net-(J2-D-): length 40
  Top w0.15: J2.2 95.88,54.15 98.4,51.63 101.52,51.63 105.88,47.27 105.88,42.15 97.98,34.25 97.98,32.64 arc(98.07,32.43) 98.28,32.34 98.68,32.34 arc(98.89,32.25) 98.98,32.04 arc(98.89,31.83) 98.68,31.74 98.28,31.74 arc(98.07,31.65) 97.98,31.44 97.98,28.19 98.23,27.94 U7.6
Net-(R3-Pad2): length 16.2
  Top w0.15: SW1.3 95.38,48.01 95,47.62 92.3,47.62 88.73,51.2 88.73,54.05 86.9,55.88 R3.2
Net-(R4-Pad1): length 10.9
  Top w0.15: 27.28,25.56 R4.1 27.37,24.76 27.68,24.46 27.68,18.85 26.61,17.78 U3.6
Net-(U2-X1): length 6.5
  Top w0.15: U2.1 6.98,25.4 Y1.1
Net-(U2-X2): length 4.1
  Top w0.15: U2.2 Y1.2
Net-(U7-XI): length 9.6
  Top w0.15: U7.7 101.09,29.21 101.38,28.92 101.38,27.7 102.58,26.5 103.83,26.5 104.33,27 C24.1 Y2.1
Net-(U7-XO): length 6.1
  Top w0.15: Y2.3 C23.1 ; U7.8 101.09,30.48 101.38,30.76 101.38,31.95 101.58,32.15 102.63,32.15
